# Altium PCB ControlBoardV1.PcbDoc (continued)
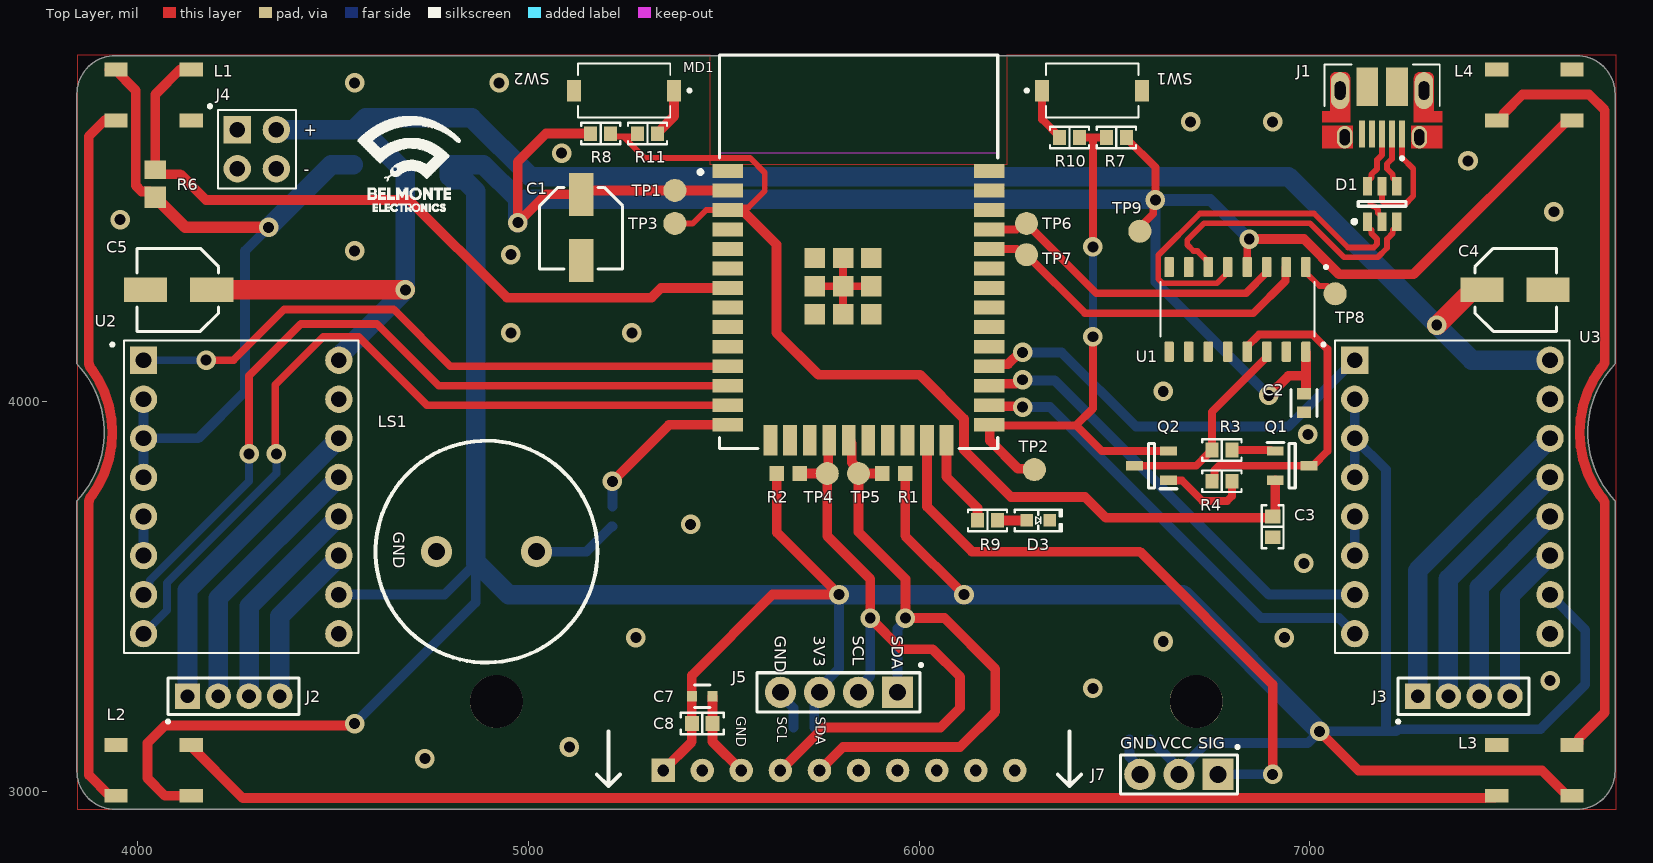
[diagram p0: Top Layer view]
## Part data (continued)
J1: library part 10103594-0001LF, "USB - micro B USB 2.0 Receptacle Connector 5 Position Surface Mount, Right Angle; Through Hole", Package=None, Availability=Good, Check_prices=https://www.snapeda.com/parts/10103594-0001LF/Amphenol%20FCI/view-part/5161044/?ref=eda, MF="Amphenol ICC (FCI)", MP=10103594-0001LF, Price=None, Purchase-URL=https://pricing.snapeda.com/search/part/10103594-0001LF/?ref=eda, SnapEDA_Link=https://www.snapeda.com/parts/10103594-0001LF/Amphenol%20FCI/view-part/5161044/?ref=snap
J2 J3: library part M22-2510405, "Connector", Manufacturer_Name=Harwin, Mouser Part Number=855-M22-2510405, Datasheet Link=https://cdn.harwin.com/pdfs/M22-251.pdf, Height=5.25mm, Manufacturer_Part_Number=M22-2510405, Mouser Price/Stock=https://www.mouser.co.uk/ProductDetail/Harwin/M22-2510405?qs=vF78I%252BjhbY9z7PsFZBZ5CA%3D%3D
J4: library part M20-9950245, "M20-9950245 Pin Connector", ComponentLink1Description=Datasheet, ComponentLink1URL=https://www.snapeda.com/parts/M20-9950245/Harwin/datasheet/
J5: library part SSD_GUARRETA, "CONN HDR 4POS 0.1 TIN PCB", Color=Black, Manufacturer=Sullins, Manufacturer Part Number=PPTC041LFBN-RC, Package Quantity=1000, Supplier Part Number 1=S7002-ND, Category=Connectors, ComponentLink1Description=https://media.digikey.com/pdf/Data%20Sheets/Sullins%20PDFs/Female_Headers.100_DS.pdf?src-supplier=Digi-Key, ComponentLink1URL=https://media.digikey.com/pdf/Data%20Sheets/Sullins%20PDFs/Female_Headers.100_DS.pdf?src-supplier=Digi-Key, ComponentLink2Description=http://www.sullinscorp.com/catalogs/78_Page80-81_HEADER_.100_2.54mm_FEMALE.pdf?src-supplier=Future+Electronics, ComponentLink2URL=http://www.sullinscorp.com/catalogs/78_Page80-81_HEADER_.100_2.54mm_FEMALE.pdf?src-supplier=Future+Electronics, Connector Type=Header,Socket, Contact Material=Bronze, Contact Plating=Tin, Height=8.5mm, Housing Material=Plastic, Lead Free="Lead Free", Length=10.7mm, Mount="Through Hole", Number of Positions=4, Number of Rows=1, Packaging=Bulk, Pitch=0.1inch, Pricing 1="1=0,45000, 10=0,42400, 100=0,32500, 500=0,28260, 1000=0,23315, 5000=0,20489, 10000=0,20410 (USD)", RoHS=Yes, Stock 1=41925, Supplier 1=Digi-Key, Termination=Solder, Width=2.5mm
J6: library part IMU_GUARRETA, "CONN HDR 10POS 0.1 TIN PCB", Color=Black, Manufacturer=Sullins, Manufacturer Part Number=PPTC101LFBN-RC, Package Quantity=1000, Supplier Part Number 1=S7008-ND, Category=Connectors, ComponentLink1Description=https://media.digikey.com/pdf/Data%20Sheets/Sullins%20PDFs/Female_Headers.100_DS.pdf?src-supplier=Digi-Key, ComponentLink1URL=https://media.digikey.com/pdf/Data%20Sheets/Sullins%20PDFs/Female_Headers.100_DS.pdf?src-supplier=Digi-Key, Connector Type=Header, Contact Material=Bronze, Contact Plating=Tin, Contact Type="Female Socket", Height=8.5mm, Housing Material=Plastic, Lead Free="Lead Free", Length=25.9mm, Mount="Through Hole", Number of Positions=10, Number of Rows=1, Packaging=Bulk, Pitch=0.1inch, Pricing 1="1=0,65000, 10=0,57400, 100=0,49500, 500=0,40500, 1000=0,36000, 5000=0,32500 (USD)", RoHS=Yes, RoHS Compliant=Yes, Stock 1=12464, Supplier 1=Digi-Key, Termination=Solder, Width=2.5mm
J7: library part IRREMOTE_GUARRETA, "CONN HDR 3POS 0.1 GOLD PCB", Color=Black, Manufacturer=Sullins, Manufacturer Part Number=PPPC031LFBN-RC, Package Quantity=1000, Supplier Part Number 1=S7036-ND, Category=Connectors, ComponentLink1Description=https://media.digikey.com/pdf/Data%20Sheets/Sullins%20PDFs/Female_Headers.100_DS.pdf?src-supplier=Digi-Key, ComponentLink1URL=https://media.digikey.com/pdf/Data%20Sheets/Sullins%20PDFs/Female_Headers.100_DS.pdf?src-supplier=Digi-Key, ComponentLink2Description=http://www.sullinscorp.com/catalogs/78_Page80-81_HEADER_.100_2.54mm_FEMALE.pdf?src-supplier=Future+Electronics, ComponentLink2URL=http://www.sullinscorp.com/catalogs/78_Page80-81_HEADER_.100_2.54mm_FEMALE.pdf?src-supplier=Future+Electronics, Connector Type=Header, Contact Material=Bronze, Contact Plating=Gold, Contact Type="Female Socket", Height=8.5mm, Housing Material=Plastic, Lead Free="Lead Free", Length=8.12mm, Mount="Through Hole", Number of Positions=3, Number of Rows=1, Packaging=Bulk, Pitch=0.1inch, Pricing 1="1=0,37000, 10=0,35100, 100=0,26910, 500=0,23400, 1000=0,19305, 5000=0,16965, 10000=0,16900 (USD)", RoHS=Yes, RoHS Compliant=Yes, Stock 1=36124, Supplier 1=Digi-Key, Termination=Solder, Width=2.5mm
LS1: library part Buzzer
MD1: library part CMP-194065-000003-1, "WIFI MODULE 32MBITS SPI FLASH", Manufacturer="Espressif Systems", Max Frequency=2484MHz, Max Supply Voltage=3.6V, Min Supply Voltage=3V, Nominal Supply Current=500mA, Temperature="-40°C to +85°C", Temperature Range High=+85°C, Temperature Range Low=-40°C, Automotive=No, Bandwidth=72MHz, Category=UNK, ComponentLink2Description=Datasheet, ComponentLink2URL=https://www.espressif.com/sites/default/files/documentation/esp32-wroom-32d_esp32-wroom-32u_datasheet_en.pdf, Data Rate=150Mbits/s, Device Class L1="Integrated Circuits (ICs)", Device Class L2="RF Semiconductors and Devices", Device Class L3=Transceivers, Digikey Description="WIFI MODULE 32MBITS SPI FLASH", Height=3.2mm, Interface=I2C,SPI,UART,Ethernet,I2S,Other, Lead Free=Yes, Manufacturer Part Number=ESP32-WROOM-32D, Mouser Description="Wi-Fi/BT BLE Module ESP32-D0WD, SPI Flash, UART, P", Number Of Adc Channels=16, Number Of Gpio=32, Octopart=https://octopart.com/esp32-wroom-32d-espressif+systems-91040050, Package=ESP32-WROOM-32D, RoHS=TRUE, Sensitivity=-98dBm
Q1 Q2: "Transistor", Manufacturer_Name="Yenji Elec", Datasheet Link=https://datasheet.lcsc.com/szlcsc/Yenji-Elec-S8050_C139514.pdf, Height=1.15mm, Manufacturer_Part_Number=S8050
R1 R2: library part CMP-1012-00586-3, "Precision Thick Film Chip Resistor, 4.7 KOhm, +/- 1%, -55 to 155 degC, 0603 (1608 Metric), RoHS, Tape and Reel", Case Code (Imperial)=1206, Case Code (Metric)=3216, Case\Package=1205, Manufacturer="Vishay Dale", Manufacturer Part Number=CRCW06034K70FKEB, Max Operating Temperature="125 degC", Min Operating Temperature="-55 degC", Package Quantity=1, Power Rating="250 mW", Tolerance=5%, Type (Resistor)="Thick Film", Voltage Rating="50 V", ComponentLink1Description="Manufacturer URL", ComponentLink1URL=http://www.panasonic.com/, ComponentLink2Description=Datasheet, ComponentLink2URL=http://industrial.panasonic.com/cdbs/www-data/pdf/RDA0000/AOA0000C86.pdf, DatasheetVersion=Apr-15, Elements=4, Height="0.024 inch", Length="0.126 inch", Mount="Surface Mount", PackageDescription="2-Pin Surface Mount Device, Body 1.6 x 0.85 mm", Packaging="Tape and Reel", Pins=8, Radiation Hardening=No, REACH SVHC="No SVHC", Resistance=4k7, RoHSCompliant=true, Size=0603, Width="0.063 inch"
R3 R4 R7 R8: library part RMCF0603JT12K0, "RES 12K OHM 5% 1/10W 0603", Device Package="0603 (1608 Metric)", Manufacturer="Stackpole Electronics Inc", Operating Temperature="-55°C ~ 155°C", Power (Watts)="0.1W, 1/10W", Ratings=AEC-Q200, Resistance="12 kOhms", Supplier Device Package=0603, Supplier Part Number 1=RMCF0603JT12K0CT-ND, Temperature Coefficient=±200ppm/°C, Tolerance=±5%, ComponentLink1Description=Datasheet, ComponentLink1URL=https://www.seielect.com/catalog/sei-rmcf_rmcp.pdf, ComponentLink2Description="DigiKey Link", ComponentLink2URL=http://digikey.com/product-detail/en/stackpole-electronics-inc/RMCF0603JT12K0/RMCF0603JT12K0CT-ND/1943192, Composition="Thick Film", Features="Automotive AEC-Q200", Height - Seated (Max)="0.022\" (0.55mm)", LastUpdated="09/02/2020 01:10:24", Lifecycle Status=Active, Minimum Order=1, Number of Terminations=2, Package / Case="0603 (1608 Metric)", Packaging=CutTape, Part Number=RMCF0603JT12K0, Part Status=Active, PartId=5166, Price=0.10, Series=RMCF, Size=0603, Size / Dimension="0.061\" L x 0.031\" W (1.55mm x 0.80mm)", Supplier 1=DigiKey
R5: library part CRCW06031K00FKEAHP, "RES SMD 1K OHM 1% 1/4W 0603", Device Package="0603 (1608 Metric)", Manufacturer="Vishay Dale", Operating Temperature="-55°C ~ 155°C", Power (Watts)="0.25W, 1/4W", Ratings=AEC-Q200, Resistance="1 kOhms", Supplier Device Package=0603, Supplier Part Number 1=541-1.00KSCT-ND, Temperature Coefficient=±100ppm/°C, Tolerance=±1%, ComponentLink1Description=Datasheet, ComponentLink1URL=http://www.vishay.com/docs/20043/crcwhpe3.pdf, ComponentLink2Description="DigiKey Link", ComponentLink2URL=http://digikey.com/product-detail/en/vishay-dale/CRCW06031K00FKEAHP/541-1.00KSCT-ND/2222766, Composition="Thick Film", Features="Automotive AEC-Q200, Pulse Withstanding", Height - Seated (Max)="0.022\" (0.55mm)", LastUpdated="09/02/2020 01:10:05", Lifecycle Status=Active, Minimum Order=1, Number of Terminations=2, Package / Case="0603 (1608 Metric)", Packaging=TapeAndReel, Part Number=CRCW06031K00FKEAHP, Part Status=Active, PartId=14350, Price=0.02, Series=CRCW-HP, Size=0603, Size / Dimension="0.063\" L x 0.033\" W (1.60mm x 0.85mm)", Supplier 1=DigiKey
R6: library part Resistor, "Resistor", Supplier Part Number 1=2358436, Supplier 1=Farnell
R9 R10 R11: library part RMCF0603JT470R, "RES 470 OHM 5% 1/10W 0603", Device Package="0603 (1608 Metric)", Manufacturer="Stackpole Electronics Inc", Operating Temperature="-55°C ~ 155°C", Power (Watts)="0.1W, 1/10W", Ratings=AEC-Q200, Resistance="470 Ohms", Supplier Device Package=0603, Supplier Part Number 1=RMCF0603JT470RCT-ND, Temperature Coefficient=±200ppm/°C, Tolerance=±5%, ComponentLink1Description=Datasheet, ComponentLink1URL=https://www.seielect.com/catalog/sei-rmcf_rmcp.pdf, ComponentLink2Description="DigiKey Link", ComponentLink2URL=http://digikey.com/product-detail/en/stackpole-electronics-inc/RMCF0603JT470R/RMCF0603JT470RCT-ND/1943166, Composition="Thick Film", Features="Automotive AEC-Q200", Height - Seated (Max)="0.022\" (0.55mm)", LastUpdated="09/02/2020 01:10:23", Lifecycle Status=Active, Minimum Order=1, Number of Terminations=2, Package / Case="0603 (1608 Metric)", Packaging=CutTape, Part Number=RMCF0603JT470R, Part Status=Active, PartId=5857, Price=0.10, Series=RMCF, Size=0603, Size / Dimension="0.061\" L x 0.031\" W (1.55mm x 0.80mm)", Supplier 1=DigiKey
SW1 SW2: library part CMP-2000-07501-1, "FSMSM Push Button Switch, 50 mA, -35 to 85 degC, 2-Pin SMD, RoHS, Tape and Reel", Case\/Package=SMD/SMT, Contact Current Rating=50mA, Contact Resistance=100mOhm, Manufacturer="TE Connectivity", Max Operating Temperature=85degC, Max Voltage Rating (DC)=12V, Min Operating Temperature=-35degC, Operating Force=180gf, Package Description="2-Pin Surface Mount Device, Body 6 x 3.5 mm, Pitch 9.19 mm", Package Quantity=1800, Voltage Rating (DC)=24V, Actuator Length=1.07mm, Actuator Material=Polyamide, Contact Material=Brass, Contact Plating=Silver, Current Rating=50mA, Datasheet URL=http://www.te.com/commerce/DocumentDelivery/DDEController?Action=showdoc&DocId=Customer+Drawing%7F1437566-3%7FC2%7Fpdf%7FEnglish%7FENG_CD_1437566-3_C2_1437566_3_1_c.dwg.pdf%7F1437566-4, Datasheet Version="Rev. C2, 08/2014", Electrical Life=20000Cycles, ELV=Compliant, Illumination Type=Illuminated, Lead Free=LeadFree, Manufacturer Part Number=FSMSMTR, Manufacturer URL=http://www.te.com/, Mechanical Life=20000Cycles, Mount=SurfaceMount, Mounting Technology=SurfaceMount, Orientation=Straight, Package Reference=FSMSMTR, Packaging=TapeandReel, REACH SVHC=Unknown, RoHSCompliant=true, Switch Travel=0.25mm, Termination=GullWing, Throw Configuration=SPST
TP1 TP2 TP3 TP4 TP5 TP6 TP7 TP8 TP9 TP10 TP11 TP12: library part TestPoint
U1: "USB to serial chip CH340", Package=None, Availability="Not in stock", Check_prices=https://www.snapeda.com/parts/CH340C/WCH/view-part/?ref=eda, MF=WCH, MP=CH340C, Price=None, SnapEDA_Link=https://www.snapeda.com/parts/CH340C/WCH/view-part/?ref=snap
U2 U3: "Pololu A4988 Stepper Motor Driver Carrier", ComponentLink1Description="Datasheet carrier", ComponentLink1URL=https://www.robotshop.com/media/files/pdf/datasheet-1182.pdf, ComponentLink2Description="Datasheet A4988", ComponentLink2URL=https://www.pololu.com/file/0J450/a4988_DMOS_microstepping_driver_with_translator.pdf
U4: library part CMP-0062-01631-4, "800mA Low-Dropout Linear Regulator, 4-pin SOT-223, Pb-Free", Manufacturer="Texas Instruments", PackageTopMarking=XYTT*N05B, PowerWise=N, Code_IPC=SOT223-4, Code_JEDEC=TO-261-AA, ComponentLink1Description="Datasheet URL", ComponentLink1URL=http://www.ti.com/general/docs/lit/getliterature.tsp?genericPartNumber=LM1117-N&fileType=pdf, CompType="LDO IC", High-Reliability=Y, Manufacturer Part Number=LM1117IMP-3.3/NOPB, PackageDescription="Molded SOT-223, 6.50 x 3.56 x 1.6mm Body, 4 Lead, 2.3mm Pitch", PackageReference=DCY0004A, PartNumber=LM1117IMP-3.3/NOPB, PinCount=4, RoHS=Y

## Free pads (board coordinates)
  round 135.43 hole 135.43: 1(4917.98,3231.05) 1(6709.32,3231.05)

## Via types
v1: diameter 50, hole 28, Top Layer to Bottom Layer, 46 vias

## Nets (pads, with @x,y where several pads share a name; then routed paths per layer and width w, separated by ;. In a path a pad name is that pad's centre, name@x,y a point inside that pad or via, vN(x,y) a via of type N, cw(c..) or ccw(c..) an arc to the next point about the centre after c; other vN are vias at no path point)
pads on no net: C1.1 C1.2 C2.1 C2.2 C3.1 C3.2 C4.1 C4.2 C5.1 C5.2 C6.1 C6.2 C7.1 C7.2 C8.1 C8.2 C9.1 C9.2 D1.1 D1.2 D1.3 D1.4 D1.5 D1.6 D3.1 D3.2 J1.1 J1.2 J1.3 J1.4 J1.5 J1.6 J1.7 J1.8 J1.9 J1.10 J1.11 J1.S1 J1.S2 J2.1 J2.2 J2.3 J2.4 J3.1 J3.2 J3.3 J3.4 J4.1 J4.2 J4.3 J4.4 J5.1 J5.2 J5.3 J5.4 J6.1 J6.2 J6.3 J6.4 J6.5 J6.6 J6.7 J6.8 J6.9 J6.10 J7.1 J7.2 J7.3 L1.1 L1.2 L1.3 L1.4 L2.1 L2.2 L2.3 L2.4 L3.1 L3.2 L3.3 L3.4 L4.1 L4.2 L4.3 L4.4 LS1.1 LS1.2 MD1.1 MD1.2 MD1.3 MD1.4 MD1.5 MD1.6 MD1.7 MD1.8 MD1.9 MD1.10 MD1.11 MD1.12 MD1.13 MD1.14 MD1.15 MD1.16 MD1.17 MD1.18 MD1.19 MD1.20 MD1.21 MD1.22 MD1.23 MD1.24 MD1.25 MD1.26 MD1.27 MD1.28 MD1.29 MD1.30 MD1.31 MD1.32 MD1.33 MD1.34 MD1.35 MD1.36 MD1.37 MD1.38 MD1.39 Q1.1 Q1.2 Q1.3 Q2.1 Q2.2 Q2.3 R1.1 R1.2 R2.1 R2.2 R3.1 R3.2 R4.1 R4.2 R5.1 R5.2 R6.1 R6.2 R7.1 R7.2 R8.1 R8.2 R9.1 R9.2 R10.1 R10.2 R11.1 R11.2 SW1.1 SW1.2 SW2.1 SW2.2 TP1.1 TP2.1 TP3.1 TP4.1 TP5.1 TP6.1 TP7.1 TP8.1 TP9.1 TP10.1 TP11.1 TP12.1 U1.1 U1.2 U1.3 U1.4 U1.5 U1.6 U1.7 U1.8 U1.9 U1.10 U1.11 U1.12 U1.13 U1.14 U1.15 U1.16 U2.1 U2.2 U2.3 U2.4 U2.5 U2.6 U2.7 U2.8 U2.9 U2.10 U2.11 U2.12 U2.13 U2.14 U2.15 U2.16 U3.1 U3.2 U3.3 U3.4 U3.5 U3.6 U3.7 U3.8 U3.9 U3.10 U3.11 U3.12 U3.13 U3.14 U3.15 U3.16 U4.1 U4.2 U4.3 U4.4
copper on no net: | length 62877.8
  Top Layer w15: 5210.59,4685 5218.06,4677.53 5242.47,4677.53 ; 5279.41,4685 5271.94,4677.53 5242.47,4677.53 ; 5375,4455 5420.52,4455 5455.1,4489.59 5510.35,4489.59 ; 5551.65,4484.37 5515.57,4484.37 5510.35,4489.59 ; 6740,4343.27 6740,4356.85 6712.3,4384.56 6702.14,4384.56 6686.54,4400.15 6686.54,4412.58 6729.46,4455.5 7000.56,4455.5 7087.4,4368.66 7174.07,4368.66 7197.5,4392.09 7197.5,4414.87 7212.31,4429.68 7212.31,4437.82 7222.4,4447.91 7222.4,4459.72 ; 6790,4343.27 6790,4329.69 6762.3,4301.98 6623.16,4301.98 6612.3,4312.85 6612.3,4373.69 6719.11,4480.5 7010.92,4480.5 7097.76,4393.66 7163.71,4393.66 7172.5,4402.44 7172.5,4414.87 7157.69,4429.68 7157.69,4437.82 7147.6,4447.91 7147.6,4459.72 ; 6895,3701.57 6896.97,3701.57 ; 6990,4343.27 6990,4329.69 7024.69,4295 7045,4295 7050,4290 ; 7147.6,4550.28 7147.6,4562.09 7157.69,4572.18 7157.69,4580.32 7172.5,4595.13 7172.5,4617.91 7185.3,4630.71 7185.3,4683.48 7185,4683.78 ; 7155,4505 7161.15,4498.85 7165.83,4498.85 7174.91,4489.77 7174.91,4481.63 7185,4471.54 7185,4459.72 ; 7185,4550.28 7185,4512.2 7195.58,4501.62 7241.62,4501.62 7265,4525 7265,4595 7236.18,4623.82 7236.18,4683.78 ; 7210.59,4683.78 7210.3,4683.48 7210.3,4620.35 7197.5,4607.56 7197.5,4595.13 7212.31,4580.32 7212.31,4572.18 7222.4,4562.09 7222.4,4550.28 ; 5242.47,4677.53 5297.2,4622.8 5556.14,4622.8 5567.2,4622.8 5605,4585 5605,4537.91 5562.97,4495.88 5516.65,4495.88 5510.35,4489.59
  Top Layer w20: v1(4175,4105) 4245,4105 4375,4235 4655,4235 4800.41,4089.59 5510.35,4089.59 ; v1(4285,3865) 4285,4065 4418,4198 4612,4198 4770.41,4039.59 5510.35,4039.59 ; v1(4355,3865) 4351.89,3868.11 4351.89,4041.89 4475,4165 4565,4165 4740.41,3989.59 5510.35,3989.59 ; 5733.39,4294.31 5805.63,4294.31 ; 5805.63,4222.07 5805.63,4294.31 ; 5805.63,4366.55 5805.63,4294.31 ; 5877.87,4294.31 5805.63,4294.31 ; 6179.65,4389.59 6249.84,4389.59 6264.43,4375 6275,4375 6425,4225 6855,4225 6937.8,4307.8 6937.8,4341.06 6940,4343.27 ; 6179.65,4439.59 6249.02,4439.59 6264.43,4455 6275,4455 6453.52,4276.48 6836.8,4276.48 6890,4329.69 6890,4343.27 ; 6180.98,3938.25 6401.75,3938.25 ; 6315,4795 6315,4721.38 6359.41,4676.97 6359.41,4675 ; 6410.59,4675 6445,4675 ; v1(6445,4165) 6445,3981.5 6401.75,3938.25 ; v1(6445,4395) 6445,4675 ; 6479.41,4675 6445,4675 ; 6530.59,4675 6530.59,4673.03 6605,4598.62 v1(6605,4515) 6599.26,4509.26 6599.26,4479.83 6565,4445.57 6565,4435 ; 6551.69,3835 6709.41,3835 6740.71,3866.3 6742.68,3866.3 6749.41,3873.03 6749.41,3875 6749.41,3972.56 6890,4113.15 6890,4126.73 ; 6638.31,3797.6 6639.21,3796.7 6673.3,3796.7 6725,3745 6788.87,3745 6800.59,3756.72 6800.59,3795 ; 6638.31,3872.4 6467.6,3872.4 6401.75,3938.25 ; 6749.41,3795 6756.14,3801.73 6756.14,3823.28 6767.86,3835 6998.31,3835 7008.15,3835 7045,3871.85 7045,4133.39 7007.87,4170.52 6870.2,4170.52 6840,4140.31 6840,4126.73 ; 6800.59,3875 6899.25,3875 6901.85,3872.4 6911.69,3872.4 ; 6840,4343.27 6840,4410 v1(6845,4415)
  Top Layer w25: 3882.22,3758.28 cw(c3865.09,3769.31) 3880.71,3756.22 ccw(c3900,3740.32) 3875,3740.39 3875,3043.58 3928.54,2990.04 ; 3882.23,3758.29 3899.67,3785.41 ccw(c3882.53,3796.43) 3900.93,3787.67 3914.78,3816.76 ccw(c3896.4,3825.54) 3915.76,3819.18 3925.8,3849.75 ccw(c3906.47,3856.18) 3926.48,3852.34 3932.58,3883.98 ccw(c3912.57,3887.84) 3932.91,3886.57 3934.95,3918.73 ccw(c3914.62,3920.02) 3934.95,3921.33 3932.91,3953.48 ccw(c3912.57,3952.21) 3932.57,3956.12 3926.47,3987.73 ccw(c3906.47,3983.87) 3925.82,3990.23 3915.76,4020.87 ccw(c3896.4,4014.5) 3914.77,4023.32 3900.95,4052.33 ccw(c3882.53,4043.62) 3899.66,4054.66 3882.23,4081.76 ccw(c3865.09,4070.74) 3880.73,4083.8 cw(c3900,4099.73) 3875,4099.66 3875,4678.31 3916.73,4720.04 3928.54,4720.04 ; 3927.01,4848.43 3928.54,4849.96 3940.35,4849.96 3995,4795.32 3995,4551.64 4009.64,4537 4030,4537 4045,4522 ; 4121.46,2990.04 4069.96,2990.04 4025,3035 4025,3125 4069.78,3169.78 4532.11,3169.78 4532.54,3170.22 4550.22,3170.22 v1(4555,3175) ; 4121.46,3119.96 4133.27,3119.96 4268.73,2984.5 7446.87,2984.5 7447.19,2984.82 7473.33,2984.82 7478.54,2990.04 ; 4121.46,4849.96 4109.65,4849.96 4045,4785.32 4045,4592 4056.12,4580.88 4109.12,4580.88 4175,4515 4695,4515 4945,4265 5315,4265 5339.59,4289.59 5510.35,4289.59 ; 4515,3405 4527.18,3405 ; 5162.3,4682.11 5159.41,4685 5045,4685 4973,4613 v1(4973,4457) 5045.65,4529.65 5135,4529.65 5144.94,4539.59 5510.35,4539.59 ; v1(5215,3795) 5359.59,3939.59 5510.35,3939.59 ; 5330.59,4685 5330.59,4686.97 5372.95,4729.33 5372.95,4795 ; 5345,3055 5418.43,3128.43 5418.43,3175 5418.43,3245 5418.43,3298.43 5625,3505 v1(5795,3505) 5635.94,3664.06 5635.94,3815 ; 5471.57,3245 5471.57,3175 5471.57,3128.43 5545,3055 ; 5551.65,4484.37 5635,4401.02 5635,4175 5742.26,4067.74 6002.26,4067.74 6115,3955 6115,3875 6235,3755 6425,3755 6478.43,3701.57 6895,3701.57 ; 5645,3055 5755,3165 6055,3165 6105,3215 6105,3295 6035,3365 5955,3365 v1(5875,3445) 5875,3545 5765,3655 5765,3815 ; 5695,3815 5765,3815 ; 5745,3055 5805,3115 6105,3115 6195,3205 6195,3315 6065,3445 v1(5965,3445) 5965,3545 5845,3665 5845,3815 ; 5770,3900.22 5767.5,3897.72 5767.5,3817.5 5765,3815 ; 5820,3900.22 5827.72,3892.5 5827.72,3842.85 5845,3825.57 5845,3815 ; 5905.47,3815 5845,3815 ; 5964.53,3815 5964.53,3655.47 v1(6115,3505) ; 6020,3900.22 6020,3730 6135,3615 6565,3615 6905,3275 v1(6905,3045) ; 6070,3900.22 6070,3806.38 6149.41,3726.97 6149.41,3695 ; 6179.65,3989.59 6181.94,3987.29 6262.71,3987.29 v1(6265,3985) ; 6179.65,4039.59 6184.86,4044.8 6248.04,4044.8 6258.24,4055 v1(6265,4055) ; 6179.65,4089.59 6184.86,4094.8 6228.04,4094.8 6258.24,4125 v1(6265,4125) ; 6180.98,3938.25 6180.98,3899.02 6252.6,3827.4 6292.6,3827.4 6295,3825 ; 6200.59,3695 6275.47,3695 ; v1(6845,4415) 6985,4415 7075,4325 7265.84,4325 7659.65,4718.81 7671.46,4718.81 ; v1(6895,4015) 6945,4065 6990,4065 ; 6905,3705 6906.48,3705 6911.69,3710.22 6911.69,3797.6 ; 6985,4018.62 6985.24,4018.62 6990,4023.39 6990,4065 ; 6990,4126.73 6990,4065 ; v1(7025,3155) 7125,3055 7594.68,3055 7659.65,2990.04 7671.46,2990.04 ; 7478.54,4718.81 7490.35,4718.81 7495.57,4724.02 7495.57,4735.84 7544.74,4785 7715,4785 7755,4745 7755,4105 cw(c7730,4104.83) 7749.15,4088.75 7745.04,4083.87 ccw(c7760.63,4070.74) 7743.49,4081.77 7726.21,4054.89 ; 7671.46,3119.96 7683.27,3119.96 7688.48,3125.18 7688.48,3136.99 7755,3203.5 7755,3735.22 ccw(c7730,3735.22) 7749.15,3751.3 7745.04,3756.19 cw(c7760.63,3769.31) 7743.5,3758.28 7726.05,3785.41 cw(c7743.18,3796.43) 7724.8,3787.66 7724.66,3787.94 7710.9,3816.84 cw(c7729.32,3825.55) 7709.98,3819.15 7699.89,3849.83 cw(c7719.25,3856.18) 7699.25,3852.31 7693.15,3883.96 cw(c7713.15,3887.84) 7692.81,3886.55 7690.77,3918.74 cw(c7711.1,3920.03) 7690.76,3921.27 7692.81,3953.54 cw(c7713.15,3952.21) 7693.14,3956.06 7699.25,3987.77 cw(c7719.25,3983.87) 7699.89,3990.22 7709.97,4020.89 cw(c7729.32,4014.51) 7710.9,4023.23 7724.77,4052.34 cw(c7743.18,4043.62) 7726.07,4054.67 7726.18,4054.84
  Top Layer w30: 4045.06,4522 4122.06,4445 v1(4335,4445)
  Top Layer w50: 4189.65,4285 v1(4685,4285) ; v1(7325,4195) 7326.73,4195 7410.24,4278.5 7433.86,4278.5 7440.35,4285
  Bottom Layer w20: 4015,3405 4075,3465 4075,3535 4355,3815 v1(4355,3865) ; 4015,3505 4015,3518.53 4030.96,3534.49 4030.96,3540.96 4285,3795 v1(4285,3865) ; 4015,4105 v1(4175,4105) ; 5745,3255 5745,3265.48 ; v1(6445,4165) v1(6445,4395)
  Bottom Layer w25: 4015,3605 4015,3705 ; 4015,3805 4015,3905 ; 4015,4005 4015,3905 ; v1(4335,4445) 4275,4385 4275,4025 4155,3905 4015,3905 ; 4523.61,3513.61 4515,3505 4785,3505 4865,3585 4865,3485 v1(4555,3175) ; 5020.91,3615 5148.62,3615 5213.03,3679.41 5215,3679.41 ; 5215,3730.59 v1(5215,3795) ; 5645,3255 5645,3248.37 5678.43,3214.95 5678.43,3165 ; 5731.57,3165 5731.57,3226.69 5745,3240.12 5745,3255 ; 5745,3265.48 5795,3315.48 v1(5795,3505) ; 5845,3255 5845,3266.72 5875,3296.72 v1(5875,3445) ; 5945,3255 5945,3418.24 5965,3438.24 v1(5965,3445) ; v1(6265,3985) 6335,3985 6875,3445 7075,3445 7115,3405 ; v1(6265,4055) 6267.28,4052.72 6347.28,4052.72 6895,3505 7115,3505 ; v1(6265,4125) 6365,4125 6555,3935 6945,3935 7115,4105 ; 6538.43,3135 6538.43,3089.16 6565,3062.59 6565,3045 ; 6591.57,3135 6591.57,3134.02 6654.48,3071.11 6654.48,3055.52 6665,3045 6665,3053.99 6736.01,3125 6995,3125 v1(7025,3155) 7195,3155 ; v1(6605,4515) 6605,4305 v1(6895,4015) ; 6765,3045 v1(6905,3045) ; 7115,3605 7115,3705 ; 7115,3805 7115,3905 ; 7115,4005 7115,3905 ; 7615,3505 7705,3415 7705,3275 7590.5,3160.5 7226.15,3160.5 7220.65,3155 7195,3155 ; 7115,3905 7195,3825 7195,3155
  Bottom Layer w30: v1(6605,4515) 6745,4515 v1(6845,4415)
  Bottom Layer w50: 4127.52,3245 4127.52,3516.71 4515,3904.19 4515,3905 ; 4206.26,3245 4206.26,3496.26 4515,3805 ; 4285,3245 4285,3475 4515,3705 ; v1(4335,4445) 4495,4605 4551.97,4605 ; 4355,4695 4355.28,4695.28 4551.69,4695.28 4551.97,4695.55 ; 4363.74,3245 4363.74,3449.91 4515,3601.17 4515,3605 ; 4515,4105 4515,4110.41 4525,4120.41 4525,4125 v1(4685,4285) 4685,4355 4685,4585 4574.45,4695.55 4551.97,4695.55 ; v1(4973,4457) 4973,4517 ; v1(6605,4515) 6603,4517 4973,4517 ; v1(7025,3155) 6675,3505 v1(6115,3505) v1(5795,3505) 4949.41,3505 4869.41,3585 4865,3585 4865,4315 4865,4537.72 4835.71,4567.01 4807.48,4567.01 4798.03,4576.46 4798.03,4605 4885,4605 4973,4517 ; 7276.26,3245 7276.26,3566.26 7615,3905 ; 7355,3245 7355,3545 7615,3805 ; 7433.74,3245 7433.74,3523.74 7615,3705 ; 7512.48,3245 7512.48,3502.48 7615,3605 ; 7615,4105 7415,4105 v1(7325,4195) 6945,4575 5005,4575 4855,4725 4583.58,4725 4554.13,4695.55 4551.97,4695.55
  other v1: 4735,3085 5105,3115 6445,3265 7615,3285 6625,3385 5275,3395 6935,3395 6985,3585 5415,3685 6995,3915 6625,4025 4955,4175 5265,4175 4955,4375 4555,4385 3955,4465 7625,4485 7405,4615 5085,4635 6695,4715 6905,4715 4555,4815 4925,4815

## Polygon pours and split planes (outlines as drawn)
no net on Top Layer "GND_Top" (solid, pour order 0): 3845,4885 3845,2955 7785,2955 7785,4885 6225,4885 6225,4605 5465,4605 5465,4885
no net on Bottom Layer "GND_Bottom" (solid, pour order 1): 3845,4885 3845,2955 7785,2955 7785,4885 6225,4885 6225,4605 5465,4605 5465,4885

## Silkscreen, mask and mechanical layers (free items; w line width, h text height)
Top Overlay:
  drawing of 26 lines, arcs and shapes, not listed
Bottom Overlay:
  drawing of 21 lines, arcs and shapes, not listed
  text "Antenna" at 6035,4735 h60
  text "Pedro J. Belmonte" at 6194,4563 h25
  text "Date: '.Date'" at 6194,4523 h25
  text "Control Board '.Revision'" at 6192,4482 h25
Mechanical 1:
  lines w1: 3844.4,3053.9 3844.4,3745.2 ccw(c3660.04,3920.3) 3844.4,4095.4 3844.4,4786.1 ; 3844.4,3054 ccw(c3943,3054) 3943,2955.4 7682.9,2955.4 ccw(c7682.9,3054) 7781.5,3054 ; 3844.4,4785.95 cw(c3943.15,4785.95) 3943.15,4884.7 7682.75,4884.7 cw(c7682.75,4785.95) 7781.5,4785.95 ; 7781.5,3053.9 7781.5,3745.2 cw(c7965.86,3920.3) 7781.5,4095.4 7781.5,4786.1
Mechanical 16:
  drawing of 115 lines, arcs and shapes, not listed
  text "1" at 1427,7465 h70
  text "2" at 4287,7465 h70
  text "3" at 7167,7465 h70
  text "4" at 10037,7465 h70
  text "A" at 75,6559 h70
  text "A" at 11375,6559 h70
  text "B" at 75,4667 h70
  text "B" at 11375,4667 h70
  text "C" at 75,2757 h70
  text "C" at 11375,2757 h70
  text "Designer's signature:" at 5490,1060 h40
  text "Sheet title: Control Board Pcb" at 6620,980 h60
  text "D" at 75,867 h70
  text "D" at 11375,867 h70
  text "Project title: Balancing Robot" at 6620,730 h60
  text "Supervisor's signature:" at 5500,570 h40
  text "Designer: Pedro Javier Belmonte" at 6620,500 h60
  text "Date: 16-01-2020 Revision: V1 Sheet 1" at 6620,270 h60
  text "Tecnologias de Circuitos Impresos / Grado en Ingenieria de Tecnologias de Telecomunicacion / ETSIIT. University of Granada / C/ Periodista Daniel Saucedo Aranda, s/n, 18014, Granada, Granada, Spain" at 9045,172.08 h40
  text "1" at 1427,65 h70
  text "2" at 4287,65 h70
  text "3" at 7167,65 h70
  text "4" at 10037,65 h70

## Text inside footprints (layer, text, board x,y; h text height)
J4: Bottom Overlay "-" at 4425,4580 h30; Bottom Overlay "+" at 4425,4680 h30; Top Overlay "-" at 4425,4580 h30; Top Overlay "+" at 4425,4680 h30
J5: Top Overlay "SDA" at 5930,3399.97 h30 r270; Top Overlay "SCL" at 5830,3399.97 h30 r270; Top Overlay "3V3" at 5730.01,3399.97 h30 r270; Top Overlay "GND" at 5630.01,3399.97 h30 r270
J6: Top Overlay "SDA" at 5735.5,3193 h25 r270; Top Overlay "SCL" at 5637.5,3193 h25 r270; Top Overlay "GND" at 5532.5,3194 h25 r270
J7: Top Overlay "GND" at 6515,3110 h30; Top Overlay "VCC" at 6615,3110 h30; Top Overlay "SIG" at 6715,3110 h30
LS1: Top Overlay "GND" at 4654.76,3666.18 h30 r270; Top Assembly "+" at 5197.01,3640.59 h30 r270
U2: Top Courtyard "EN" at 4075,4090 h30; Top Courtyard "MS1" at 4075,3990 h30; Top Courtyard "MS2" at 4075,3890 h30; Top Courtyard "MS3" at 4075,3790 h30; Top Courtyard "RST" at 4075,3690 h30; Top Courtyard "SLP" at 4075,3590 h30; Top Courtyard "STEP" at 4075,3490 h30; Top Courtyard "DIR" at 4075,3390 h30; Top Courtyard "VMOT" at 4345.04,4090 h30; Top Courtyard "GND" at 4375.03,3990 h30; Top Courtyard "2B" at 4405.02,3890 h30; Top Courtyard "2A" at 4405.02,3790 h30; Top Courtyard "1A" at 4410.01,3690 h30; Top Courtyard "1B" at 4410.01,3590 h30; Top Courtyard "VDD" at 4375.03,3490 h30; Top Courtyard "GND" at 4375.03,3390 h30
U3: Top Courtyard "EN" at 7175,4090 h30; Top Courtyard "MS1" at 7175,3990 h30; Top Courtyard "MS2" at 7175,3890 h30; Top Courtyard "MS3" at 7175,3790 h30; Top Courtyard "RST" at 7175,3690 h30; Top Courtyard "SLP" at 7175,3590 h30; Top Courtyard "STEP" at 7175,3490 h30; Top Courtyard "DIR" at 7175,3390 h30; Top Courtyard "VMOT" at 7445.04,4090 h30; Top Courtyard "GND" at 7475.03,3990 h30; Top Courtyard "2B" at 7505.02,3890 h30; Top Courtyard "2A" at 7505.02,3790 h30; Top Courtyard "1A" at 7510.01,3690 h30; Top Courtyard "1B" at 7510.01,3590 h30; Top Courtyard "VDD" at 7475.03,3490 h30; Top Courtyard "GND" at 7475.03,3390 h30